# Altium PCB main.PcbDoc (continued)
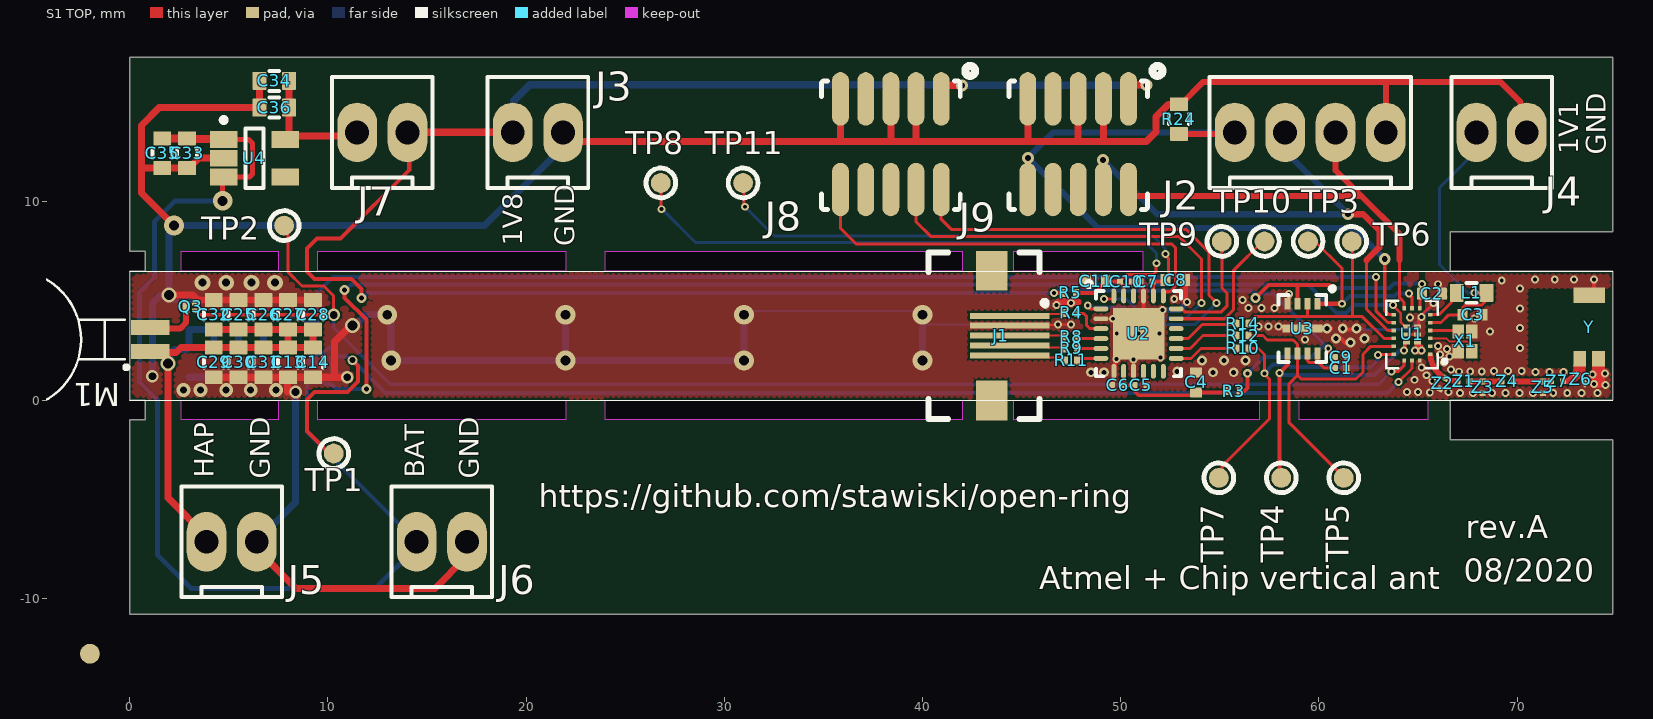
[diagram p0: S1 TOP view]
## Part data (continued)
J8 J9: "10-pin ARM SWD connector for debugging", Manufacturer=Samtec, Part Number=FTSH-105-01-L-DV-K
L1: library part MLZ1005M2R2WT000, "FIXED IND 2.2UH 350MA 550 MOHM", Device Package=0603, Manufacturer="TDK Corporation", Operating Temperature="-55°C ~ 125°C", Package / Case="0402 (1005 Metric)", Part Number=MLZ1608N2R2LT000, Tolerance=±20%, Height - Seated (Max)=0.95mm, Inductance=2.2µH, Shielding=Shielded
M1: "DC Motor Vibration, ERM 10000 RPM 3VDC", Package="Jinlong Machinery", Digi-Key_Part_Number=1670-1000-ND, MF="Jinlong Machinery", MP=C0720B001F
Q1: library part P_MOS_GDS, Manufacturer=Nexperia, Package / Case=3-XFDFN, Part Number=PMH1200UPE
Q2 Q3: library part N_MOS_GDS, Manufacturer=Nexperia, Package / Case=3-XFDFN, Part Number=PMH600UNE
R1 R21: library part CRCW0201100RFKED, "RES SMD 1 MOhm 1% 1/20W 0201", Device Package="0201 (0603 Metric)", Power (Watts)="0.05W, 1/20W", Composition="Thick Film", Package / Case="0201 (0603 Metric)", Size / Dimension="0.024\" L x 0.012\" W (0.60mm x 0.30mm)"
R2 R23: library part CRCW0201100RFKED, "RES SMD 249 kOhm 1% 1/20W 0201", Device Package="0201 (0603 Metric)", Power (Watts)="0.05W, 1/20W", Composition="Thick Film", Package / Case="0201 (0603 Metric)", Size / Dimension="0.024\" L x 0.012\" W (0.60mm x 0.30mm)"
R3: library part CRCW0201100RFKED, "RES SMD 100 Ohm 5% 1/20W 0201", Device Package="0201 (0603 Metric)", Power (Watts)="0.05W, 1/20W", Composition="Thick Film", Package / Case="0201 (0603 Metric)", Size / Dimension="0.024\" L x 0.012\" W (0.60mm x 0.30mm)"
R4 R8 R9 R11: library part CRCW0201100RFKED, "RES SMD 470 Ohm 5% 1/20W 0201", Device Package="0201 (0603 Metric)", Power (Watts)="0.05W, 1/20W", Composition="Thick Film", Package / Case="0201 (0603 Metric)", Size / Dimension="0.024\" L x 0.012\" W (0.60mm x 0.30mm)"
R5 R10 R12 R14: library part CRCW0201100RFKED, "RES SMD 0 Ohm 1/20W 0201", Device Package="0201 (0603 Metric)", Power (Watts)="0.05W, 1/20W", Composition="Thick Film", Package / Case="0201 (0603 Metric)", Size / Dimension="0.024\" L x 0.012\" W (0.60mm x 0.30mm)"
R19 R20: library part CRCW0201100RFKED, "RES SMD 316 Ohm 5% 1/20W 0201", Device Package="0201 (0603 Metric)", Power (Watts)="0.05W, 1/20W", Composition="Thick Film", Package / Case="0201 (0603 Metric)", Size / Dimension="0.024\" L x 0.012\" W (0.60mm x 0.30mm)"
R22: library part CRCW0201100RFKED, "RES SMD 100 kOhm 1% 1/20W 0201", Device Package="0201 (0603 Metric)", Power (Watts)="0.05W, 1/20W", Composition="Thick Film", Package / Case="0201 (0603 Metric)", Size / Dimension="0.024\" L x 0.012\" W (0.60mm x 0.30mm)"
R24: library part CRCW0201100RFKED, "RES SMD 10k 5% 1/8W 0603", Device Package="0201 (0603 Metric)", Package / Case=0603, Power (Watts)="0.05W, 1/20W", Composition="Thick Film", Size / Dimension="0.024\" L x 0.012\" W (0.60mm x 0.30mm)"
TP1 TP2 TP3 TP4 TP5 TP6 TP7 TP8 TP9 TP10 TP11: "Testpoint for measuring at the PCB"
U1: "IC RF TxRx + MCU Bluetooth Bluetooth v5.1 2.4GHz 24-WFQFN, FC", Manufacturer="Dialog Semiconductor GmbH", Package="WFQFN-24 Dialog Semiconductor GmbH"
U2: "ARM® Cortex®-M23 SAM L10 Microcontroller IC 32-Bit 32MHz 64KB FLASH 24-VQFN (4x4)", Manufacturer="Microchip (Atmel)", Package / Case=VQFN-24, Part Number=ATSAML10D16A-M*
U3: Manufacturer=Macronix
X1: library part CRYSTAL_4PIN_SMD
Z1 Z7: library part LQW15AN3N3D8ZD, "RF Inductor 3.3nH ±0.1nH 450mA 250mOhm", Device Package=0201, Manufacturer="Murata Electronics", Operating Temperature="-55°C ~ 125°C", Part Number=LQP03TN3N3B02D, Tolerance=±0.1nH, Height - Seated (Max)=0.33mm, Package / Case=0201, Size / Dimension="0.60mm x 0.30mm"
Z2 Z3 Z4 Z5 Z6: library part GRM033R61A104KE84D, "Ceramic capacitor 1.8pF ±0.25pF 50V C0G (NP0) 0201", Device Package="0201 (0603 Metric)", Mounting Type="Surface Mount, MLCC", Package / Case="0201 (0603 Metric)", Size / Dimension="0.024\" L x 0.012\" W (0.60mm x 0.30mm)"

## Free pads (board coordinates)
  round 1 smd paste-1 mask+1: FID(-2,-12.8)

## Via types
v1: diameter 0.4, hole 0.2, S1 TOP to S2 BOTTOM, 101 vias
v2: diameter 0.5, hole 0.25, S1 TOP to S2 BOTTOM, 18 vias
v3: diameter 1, hole 0.5, S1 TOP to S2 BOTTOM, 10 vias
v4: diameter 0.6, hole 0.3, S1 TOP to S2 BOTTOM, 6 vias
v5: diameter 0.7, hole 0.35, S1 TOP to S2 BOTTOM, 5 vias
v6: diameter 0.635, hole 0.4, S1 TOP to S2 BOTTOM, 4 vias
v7: diameter 0.8, hole 0.4, S1 TOP to S2 BOTTOM, 4 vias
v8: diameter 0.76, hole 0.5, S1 TOP to S2 BOTTOM, 3 vias
v9: diameter 0.45, hole 0.2, S1 TOP to S2 BOTTOM, 1 vias
v10: diameter 0.5, hole 0.3, S1 TOP to S2 BOTTOM, 1 vias

## Nets (pads, with @x,y where several pads share a name; then routed paths per layer and width w, separated by ;. In a path a pad name is that pad's centre, name@x,y a point inside that pad or via, vN(x,y) a via of type N, cw(c..) or ccw(c..) an arc to the next point about the centre after c; other vN are vias at no path point)
1V1: C3.1 J4.1 L1.2 U1.5 | length 14.3
  S1 TOP w0.152: U1.5 66.157,3.907 66.55,4.3 C3.1 67.25,4.65 67.4,4.8 68.224,4.8 68.377,4.953 68.377,5.34 68.447,5.41 v1(67.843,5.41)
  S2 BOTTOM w0.152: 67.503,5.407 66.075,6.835 66.075,10.706 67.945,12.576 J4.1 ; 67.545,5.407 67.548,5.41 v1(67.843,5.41)
1V8: C1.2 C2.1 C9.1 J3.1 J7.2 J8.1 J9.1 R3.1 R5.1 U1.7 U3.3 U3.7 U3.8 | length 127.7
  S1 TOP w0.152: U3.7 59.418,1.976 59.507,1.887 59.988,1.887 ; U3.8 59.918,1.956 59.988,1.887 ; C9.1 C1.2 60.268,1.607 59.988,1.887 ; U1.7 65.107,4.633 65.107,5.279 C2.1@65.197,5.369
  S1 TOP w0.203: v2(11.7,5.15) 11.7,5.6 11.202,6.098 9.334,6.098 8.95,6.482 8.95,7.65 9.45,8.15 10.65,8.15 14.11,11.61 14.11,13.41 J7.2 ; J3.1@19.3,13.47 J3.1 ; J8.1 40.945,14.726 41.244,14.427 J8.1@41.021,14.205 ; v1(46.625,5.397) 46.627,5.398 47.148,5.398 R5.1 ; R3.1@56,0.4 56,0.402 56.048,0.45 56.25,0.45 56.4,0.6 v9(56.4,1.35) ; v2(56.8,5.15) 57.45,5.8 58.986,5.8 ; U3.3 58.918,5.732 58.986,5.8 ; v1(60.468,2.607) 60.506,2.569 60.506,2.459 C9.1 ; 60.522,5.8 58.986,5.8 ; v1(65.193,5.85) 65.197,5.847 C2.1@65.197,5.369
  S1 TOP w0.381: J7.2 19.27,13.5 J3.1@19.3,13.47 ; J8.1 40.945,15.658 41.161,15.875 v4(41.986,15.875) ; J9.1@50.381,15.176 J9.1 50.394,15.684 50.61,15.9 v4(51.3,15.9)
  S2 BOTTOM w0.203: v2(11.7,5.15) 11.761,5.15 12.007,5.397 v1(46.625,5.397) ; v1@46.649,5.357 46.82,5.529 56.571,5.529 56.718,5.382 57.693,5.382 60.268,2.807 ; v9(56.4,1.35) 57.209,2.159 59.62,2.159 60.268,2.807 ; v1(60.468,2.607) 60.268,2.807 ; v1(60.718,5.657) 63.559,5.657 63.79,5.888 v1@65.159,5.888
  S2 BOTTOM w0.381: J3.1 19.38,13.55 19.38,15.088 20.193,15.9 v4@41.986,15.9 ; v4(41.986,15.875) 51.274,15.875 v4(51.3,15.9)
ATMEL_RESET: J8.10 U2.19 | length 22.1
  S1 TOP w0.152: J8.10 35.865,8.661 36.652,7.874 52.578,7.874 52.756,7.696 52.756,5.726 52.492,5.462 52.195,5.462 52.15,5.417 U2.19
ATMEL_SWCLK: J8.4 U2.24 | length 25.3
  S1 TOP w0.152: J8.4 39.675,8.992 40.411,8.255 52.934,8.255 54.077,7.112 v1(54.077,4.902) ; v1(49.15,5.1) 49.605,5.1 49.65,5.145 U2.24
  S2 BOTTOM w0.152: v1(49.15,5.1) 50.272,5.1 51.227,4.145 53.319,4.145 v1(54.077,4.902)
ATMEL_SWDIO: J8.2 U2.1 | length 26.5
  S1 TOP w0.152: J8.2 40.945,9.119 41.453,8.611 53.289,8.611 54.45,7.45 54.45,5.291 v1(54.839,4.902) ; v1@48.364,4.747 48.364,4.698 48.481,4.581 48.981,4.581 U2.1
  S2 BOTTOM w0.152: v1(48.336,4.775) 48.415,4.697 50.218,4.697 51.115,3.8 53.736,3.8 v1(54.839,4.902)
CAP_SENSE_SCL: R10.1 TP7.1 U1.15 | length 15.5
  S1 TOP w0.152: TP7.1 55.112,-3.763 55.112,-3.338 57.5,-0.95 57.5,1.05 57.25,1.3 v1(57.25,1.35) 57.25,2.3 56.95,2.6 R10.1 ; v1(62.981,2.266) 63.02,2.305 63.779,2.305 U1.15
  S2 BOTTOM w0.203: v1(57.25,1.35) 57.685,1.785 58.44,1.785 58.568,1.657 62.618,1.657 62.95,1.989 62.95,2.236 v1(62.981,2.266)
GND: C1.1 C2.2 C3.2 C4.1 C5.1 C6.1 C7.1 C8.2 C9.2 C10.1 C11.1 C13.1 C14.2 C15.1 C16.2 C17.1 C18.2 C19.1 C20.2 C21.1 C22.2 C23.1 C24.2 C25.1 C26.2 C27.1 C28.2 C29.1 C30.2 C31.1 C32.2 C33.1 C34.1 C35.1 C36.1 J1.2 J2.4 J3.2 J4.2 J5.2 J6.2 J8.3 J8.5 J8.9 J9.3 J9.5 J9.9 Q2.S Q3.S R2.2 R23.2 R24.2 U1.2 U1.18 U1.19 U1.20 U1.21 U1.23 U2.2 U2.7 U2.9 U2.21 U2.25 U3.4 U3.9 U4.2 X1.2 X1.4 Y.2 Y.3 Z2.2 Z3.2 Z5.2 Z6.2 | length 246.6
  S1 TOP w0.102: J1.2 44.425,3.775 46.821,3.775 v1(46.846,3.8) v1(47.5,3.8)
  S1 TOP w0.127: 65.021,4.009 65.021,4.124 v1@65.228,4.331 ; v1@65.228,4.247 v1@65.228,4.331 ; v1@65.228,4.339 v1@65.228,4.331 ; v1(65.778,4.882) v1@65.228,4.331
  S1 TOP w0.152: C10.1 C7.1 51.148,5.829 U2.21@51.148,5.08 ; U1.23 U1.20 U1.21 U1.21@64.997,3.707 ; U1.19 64.978,2.907 65.043,2.907 65.067,2.883 65.067,2.808 65.168,2.707 ; v1@65.078,4.057 65.031,4.009 65.031,3.731 65.007,3.707 U1.21@64.997,3.707 ; v1(65.166,4.18) 65.166,4.155 65.021,4.009 65.021,3.731 U1.21@64.997,3.707 ; X1.2@66.804,2.707 67.018,2.493 X1.2 ; X1.2@66.814,2.707 67.028,2.493 X1.2@67.028,2.457 ; v1(68.618,3.457) 68.623,3.462 68.633,3.462 v1@68.628,3.457 ; v1@69.202,6.007 v1(69.221,6.026)
  S1 TOP w0.178: Q3.S 3.305,5.16
  S1 TOP w0.2: Y.3@73.485,5.34 73.625,5.34 73.868,5.583 v1(73.868,6.075) v1@73.868,6.132
  S1 TOP w0.203: C6.1@49.574,0.71 C6.1@49.574,0.818 ; C6.1@49.639,0.769 49.639,1.271 49.657,1.289 49.657,1.676 49.708,1.727 49.708,1.99 U2.25@50.648,2.93 ; U2.25@49.835,3.93 50.148,3.93 50.814,3.264 U2.25@50.898,3.18 ; U2.9@50.648,1.28 U2.25@50.648,2.93 ; U2.21@51.148,5.08 51.148,3.43 U2.25@50.898,3.18 ; v1@57.9,3.6 58.423,3.6 58.467,3.557 58.517,3.607 U3.9 v2@60.618,3.607 ; U3.4@58.368,4.907 U3.4 ; v2@61.068,3.157 61.34,2.885 v2@61.472,2.885 ; 61.461,3.55 61.65,3.55 ; v1@65.161,2.694 65.161,2.513 v1(65.178,2.495) ; U2.25@50.648,2.93 U2.25@50.898,3.18
  S1 TOP w0.3: R24.2@52.92,14.91 53.02,14.91 54.163,16.053 69.147,16.053 70.16,15.04 70.16,13.825 J4.2 ; C8.2@53.256,5.969 53.256,5 53.34,4.916 v1@53.34,4.902 ; J2.4 63.373,16.027
  S1 TOP w0.305: v1@64.978,2.495 U1.19@64.978,2.907
  S1 TOP w0.356: v8(2,5.3) 2.005,5.305 3.195,5.305 3.45,5.05 C32.2 C25.1 C26.2 C27.1 C28.2 ; v3(2.25,8.8) 0.6,10.45 0.6,11.65 ; C29.1 C30.2 C31.1 C13.1 ; U4.2 3.5,12.2 3,11.7 C33.1 C35.1 0.65,11.7 0.6,11.65 ; J5.2@6.4,-7.5 8.4,-9.5 15.4,-9.5 16.95,-7.95 J6.2@16.95,-7.22 ; C34.1 C36.1 1.5,14.75 0.6,13.85 0.6,11.65 ; v6(8.382,0.406) 7.975,0.406 7.975,1.125 C13.1 ; v6@10.783,1.15 10.35,1.15 ; v8(11.25,3.75) 11.15,3.75 10.35,2.95 10.35,1.15 ; J3.2 22.34,13.03 35.763,13.03 ; J8.9 35.865,13.132 35.763,13.03 ; J8.5 38.405,13.081 38.456,13.03 ; J8.3 39.675,13.081 39.624,13.03 ; J9.9 45.314,13.17 45.453,13.03 ; J9.5 47.854,13.081 47.803,13.03 ; J9.3 49.124,13.056 49.098,13.03 ; R24.2@52.92,14.91 52.4,14.91 51.791,14.3 51.791,13.538 51.283,13.03 49.098,13.03 ; C13.1 C14.2 10.35,1.15 ; 35.763,13.03 38.456,13.03 ; 38.456,13.03 39.624,13.03 ; 39.624,13.03 45.453,13.03 ; 45.453,13.03 47.803,13.03 ; 47.803,13.03 49.098,13.03
  S1 TOP w0.381: v1(64.85,2.5) 64.973,2.5 64.978,2.495 v1(65.178,2.495)
  S1 TOP w0.4: v1(46.75,4.8) 46.892,4.942 47.809,4.942
  S1 TOP w0.65: 74.092,1.473 74.103,1.484 ; 74.103,0.92 74.103,1.484 ; Y.2 74.103,1.484 ; Y.2 74.103,1.484
  S2 BOTTOM w0.102: v3@31,4.5 v3@40,4.5 ; 40.03,3.8 v1(46.846,3.8)
  S2 BOTTOM w0.152: v2@61.9,3.55 64.536,3.55 v1(65.166,4.18) v1@65.918,4.932
  S2 BOTTOM w0.203: C18.2 8.1,5.15 R23.2 ; Q2.S R2.2 10.238,1.312 10.705,1.312 10.866,1.15 v6(10.983,1.15) ; v1(47.5,3.8) v1@47.519,3.819
  S2 BOTTOM w0.3: v1(52.098,4.548) 52.986,4.548 v1@53.34,4.902
  S2 BOTTOM w0.356: v6(1.15,1.2) 1.15,4.9 1.5,5.25 1.95,5.25 v8(2,5.3) ; C19.1 C15.1 C22.2 C17.1 C16.2 ; J5.2 6.42,-7.095 7.361,-6.154 7.381,-6.154 8.382,-5.153 v6(8.382,0.406) ; C18.2 C24.2 C23.1 C21.1 C20.2 2.975,5.075 2.225,5.075 v8(2,5.3) ; v8(11.25,3.75) 11.36,3.75 11.928,4.318 12.982,4.318 v3(13,4.3) 13,4.19 13.2,3.99 v3(13.2,2) v3(22,2) ; J6.2@16.95,-7.22 J6.2 ; J3.2 21.87,12.77 17.9,8.8 v3(2.25,8.8) 2.25,8.621 2,8.371 v8(2,5.3) ; v3(22,4.3) v3(22,2) ; v3(31,4.3) v3(31,2) v3(22,2) ; v3(40,2) v3(40,4.3) ; J2.4@63.363,13.376 J2.4@63.373,13.386
  other v1: 67.114,0.35 67.774,0.35 68.739,0.35 69.4,0.35 70.111,0.35 70.8,0.35 71.818,0.35 72.524,0.35 73.235,0.35 74.048,0.35 65.59,0.387 64.439,0.412 65.005,0.412 66.529,0.4 74.454,0.768 73.879,0.8 65.728,0.952 64.828,1.022 65.418,1.25 73.793,1.282 74.423,1.332 67.063,1.428 67.631,1.431 68.212,1.431 70.928,1.424 71.628,1.424 72.328,1.424 68.828,1.454 69.528,1.454 70.228,1.454 66.656,1.53 65.183,1.632 66.307,1.891 50.65,2.05 49.798,2.08 52,2.15 66.58,2.19 66.108,2.302 66.454,2.58 70.15,2.625 66.009,2.72 59.3,3.05 49.8,3.35 50.9,3.35 51.95,3.35 70.15,3.625 56.95,3.7 57.45,3.7 57.95,3.7 49.6,4.1 67.845,4.114 64.588,4.163 70.15,4.625 56.45,4.65 57.1,4.65 57.75,4.65 46.2,4.8 47.5,4.89 53.34,4.95 56.15,5.05 52.7,5.1 58.49,5.354 70.15,5.625 66.015,5.842 70.893,6.075 71.893,6.075 72.868,6.075
  other v2: 48.5,1.4 49.15,1.4 54.65,1.4 55.7,1.4 52.85,1.45 54.1,2 55.2,2 56.3,2 61.6,2.9 60.85,3.1 62.3,3.1 60.4,3.6 61.2,3.6 61.9,3.6
  other v5: 2.718,0.501 3.581,0.501 4.877,0.501 6.112,0.501 7.387,0.501
  other v7: 3.683,5.918 4.877,5.918 6.147,5.918 7.341,5.918
HAP_PRE: Q2.G TP1.1 U1.17 | length 63.2
  S1 TOP w0.152: v1(64.017,0.915) 64.693,1.591 U1.17 U1.17@64.696,1.992 ; U1.17@64.703,1.994 U1.17@64.705,1.992
  S1 TOP w0.203: TP1.1@10.092,-2.708 9.826,-2.442 8.95,-1.566 8.95,0.018 9.334,0.402 11.007,0.402 11.529,0.924 11.529,1.723 v10(11.243,2.009)
  S2 BOTTOM w0.203: Q2.G 10.972,2.2 11.163,2.009 v10(11.243,2.009) 12.902,0.35 63.452,0.35 v1(64.017,0.915)
HAP_PULSE: Q3.G TP2.1 U1.16 | length 69.8
  S1 TOP w0.152: TP2.1 7.962,8.638 7.962,8.338 8,8.3 8,6.45 8.7,5.75 9.8,5.75 10.3,5.25 v6(10.3,4.3) ; v1(63.65,1.45) 64,1.45 64.279,1.729 64.279,1.98 U1.16
  S1 TOP w0.191: Q3.G 3.355,4.525 3.36,4.52 3.36,4.47 3.53,4.3 v6@10.25,4.3
  S2 BOTTOM w0.191: v6(10.3,4.3) 10.3,3.65 13.15,0.8 63,0.8 v1(63.65,1.45) v1@63.593,1.45
NetC4_2: C4.2 C5.2 C6.2 R3.2 U2.8 | length 6.6
  S1 TOP w0.178: C6.2@50.087,0.698 50.15,0.761 U2.8 ; C6.2 50.694,0.75 C5.2@50.695,0.748 ; C5.2 50.7,0.45 50.9,0.25 53.759,0.25 C4.2@53.896,0.387 ; C4.2 C4.2@53.896,0.387 ; C4.2@53.991,0.387 C4.2@53.896,0.387
  S1 TOP w0.203: C4.2@53.991,0.387 55.352,0.387 55.4,0.436 R3.2
NetC7_2: C7.2 C8.1 TP11.1 U2.20 | length 26.7
  S1 TOP w0.152: TP11.1 31.003,10.897 31.003,9.797 v1(31.05,9.75) ; v1(52.25,7.375) 52.25,7.308 52.4,7.158 52.4,6.113 C8.1@52.256,5.969
  S1 TOP w0.203: U2.20@51.648,5.08 51.639,5.089 51.639,5.938 C7.2 C8.1@52.256,5.969
  S2 BOTTOM w0.152: v1(31.05,9.75) 32.525,8.275 51.625,8.275 52.237,7.663 52.237,7.388 v1(52.25,7.375)
NetC10_2: C10.2 C11.2 R5.2 TP8.1 U2.23 | length 33.7
  S1 TOP w0.152: TP8.1 26.813,10.937 26.813,9.637 v1(26.825,9.625) ; C10.2 50.323,6.325 51.625,6.325 51.771,6.471 51.771,6.871 v1(51.8,6.9)
  S1 TOP w0.203: R5.2@47.774,5.376 R5.2 48.698,5.4 49.243,5.944 C11.2 49.255,5.982 49.954,5.982 C10.2 50.148,5.788 U2.23@50.148,5.08
  S2 BOTTOM w0.152: v1(26.825,9.625) 26.875,9.625 28.55,7.95 51.25,7.95 51.8,7.4 v1(51.8,6.9)
NetC34_2: C34.2 C36.2 J7.1 U4.5 | length 6.6
  S1 TOP w0.356: U4.5 U4.5@8.025,13.325 ; C34.2 C36.2 8.05,13.35 U4.5@8.025,13.325 ; J7.1 11.305,13.325 U4.5@8.025,13.325
NetJ1_1: J1.1 R4.2 | length 3
  S1 TOP w0.076: R4.2@47.15,4.4 R4.2@47.2,4.45
  S1 TOP w0.102: J1.1 46.25,4.25 46.35,4.35 47.15,4.35 R4.2@47.2,4.35 ; R4.2 R4.2@47.2,4.45
NetJ1_3: J1.3 R8.2 | length 2.8
  S1 TOP w0.102: J1.3 R8.2@47.2,3.25
NetJ1_4: J1.4 R9.2 | length 2.8
  S1 TOP w0.102: J1.4 46.25,2.75 46.35,2.65 R9.2@47.2,2.65
NetJ1_5: J1.5 R11.2 | length 2.9
  S1 TOP w0.102: J1.5 44.499,2.151 46.449,2.151 ; 46.45,2.15 47.101,2.15 R11.2@47.2,2.051
NetL1_1: L1.1 U1.6 | length 1.9
  S1 TOP w0.152: U1.6 66.057,4.307 66.675,4.925 66.675,4.928 66.676,4.929 66.676,5.133 L1.1
NetM1_2: M1.2 Q3.D | length 2.7
  S1 TOP w0.305: M1.2 1.1,3.6 2.55,3.6 2.85,3.9 Q3.D
NetQ1_D: Q1.D R19.1 R20.1 | length 1.3
  S2 BOTTOM w0.203: R19.1 9.2,3.4 ; Q1.D 9.2,2.8 9.2,3.4 ; R20.1 9.2,3.4
NetQ1_G: Q1.G Q2.D R22.2 | length 1.7
  S2 BOTTOM w0.203: R22.2 9.55,1.8 9.427,1.923 9.427,2.293 Q1.G 9.425,2.342 9.427,2.343 9.743,2.343 10.05,2.65 Q2.D@10.37,2.65
NetR10_2: R10.2 U2.13 | length 3.3
  S1 TOP w0.152: U2.13 53.55,2.1 54.05,2.6 R10.2
NetR12_2: R12.2 U2.14 | length 3.3
  S1 TOP w0.152: U2.14 53.5,2.6 54.15,3.25 55.776,3.25 R12.2@55.776,3.219
NetR14_2: R14.2 U2.15 | length 3.5
  S1 TOP w0.152: U2.15 53.4,3.1 54.1,3.8 55.776,3.8 55.776,3.876 R14.2@55.85,3.95 ; R14.2 R14.2@55.85,3.9
NetTP9_1: TP9.1 U2.18 | length 6.3
  S1 TOP w0.152: U2.18 53.076,4.6 53.226,4.45 55.072,4.45 55.35,4.728 55.35,5.4 55.1,5.65 55.1,7.65 55.45,8 TP9.1@55.474,7.976
NetTP10_1: TP10.1 U2.17 | length 7.2
  S1 TOP w0.152: U2.17 55.23,4.1 55.7,4.57 55.7,6.55 57.15,8 TP10.1
NetY_1: Y.1 Z6.1 Z7.2 | length 3.9
  S1 TOP w0.254: Z7.2@72.312,0.953 ccw(c72.479,1.818) Y.1@73.35,1.695 ; Z7.2@72.328,0.946 ccw(c72.261,1.641) Y.1@72.954,1.726
  S1 TOP w0.3: Z7.2@72.328,0.946 ccw(c72.337,1.809) Y.1@73.2,1.8
NetZ1_2: Z1.2 Z3.1 Z4.1 | length 1.6
  S1 TOP w0.3: Z1.2 Z4.1@69.196,0.946
NetZ4_2: Z4.2 Z5.1 Z7.1 | length 1.9
  S1 TOP w0.3: Z4.2 Z7.1@71.711,0.946
P0_3: R12.1 TP5.1 U1.14 U3.6 | length 16.8
  S1 TOP w0.152: R12.1 57.175,3.25 57.398,3.027 58.698,3.027 58.918,2.807 U3.6 58.918,1.243 ; TP5.1 61.25,-3.9 58.5,-1.15 58.5,0.825 58.918,1.243 ; U1.14 62.618,2.707 62.218,2.307 62.218,1.407 61.868,1.057 59.105,1.057 58.918,1.243
P0_4: R14.1 TP6.1 U1.13 U3.2 | length 12.4
  S1 TOP w0.152: R14.1 56.45,3.9 56.757,4.207 59.418,4.207 ; U3.2 59.418,4.207 ; TP6.1 61.7,7.95 61.7,4.207 ; U1.13 63.289,3.107 62.189,4.207 61.7,4.207 ; 59.418,4.207 61.7,4.207
RESET: J2.1 J9.10 R24.1 U1.10 | length 42.2
  S1 TOP w0.152: J2.1@55.753,13.386 J2.1 J2.1@55.753,14.076 ; v4(63.318,7.107) 63.318,4.507 63.518,4.307 U1.10
  S1 TOP w0.305: J9.10 v4(45.314,12.217) ; R24.1@52.834,13.423 R24.1 ; R24.1@52.884,13.373 R24.1 ; J2.1@55.753,13.386 55.716,13.423 R24.1 ; J2.1@55.763,12.436 J2.1@55.763,14.076
  S2 BOTTOM w0.305: J2.1 46.596,13.5 v4(45.314,12.217) 48.846,8.685 61.74,8.685 v4(63.318,7.107) ; J2.1@55.763,13.5 J2.1@55.763,14.486
RF: U1.1 Z1.1 Z2.1 | length 2.1
  S1 TOP w0.152: U1.1 65.612,2.301 U1.1@65.612,2.307 ; U1.1@65.615,2.307 65.622,2.301 U1.1@65.622,2.307
  S1 TOP w0.3: U1.1@65.622,2.245 ccw(c67.028,2.355) Z1.1@66.979,0.946
RX0: R8.1 U2.4 | length 1.3
  S1 TOP w0.152: R8.1 47.8,3.174 47.874,3.1 U2.4
RX1: R9.1 U2.5 | length 1.2
  S1 TOP w0.152: R9.1 U2.5
RX2: R11.1 U2.6 | length 1.3
  S1 TOP w0.152: R11.1 47.8,2.026 47.874,2.1 U2.6
SPI_FLASH_CS: TP3.1 U1.8 U3.1 | length 10.3
  S1 TOP w0.152: TP3.1@59.75,8.05 61.168,6.632 v1(61.168,4.857) ; v1(64.542,5.383) 64.542,5.316 64.693,5.165 U1.8 U1.8@64.701,4.627 ; v1@64.552,5.383 64.552,5.316 64.703,5.165 64.703,4.619 U1.8@64.711,4.627
  S1 TOP w0.203: U3.1 v1(61.168,4.857)
  S2 BOTTOM w0.203: v1(61.168,4.857) 61.568,5.257 63.818,5.257 63.945,5.383 v1(64.542,5.383)
SPI_FLASH_DI: TP4.1 U1.24 U3.5 | length 13.9
  S1 TOP w0.152: v1(64.28,2.507) 64.328,2.555 64.328,2.883 64.351,2.907 U1.24
  S1 TOP w0.203: TP4.1 58.018,-3.843 v1(58.018,1.357) 58.418,1.757 U3.5
  S2 BOTTOM w0.203: v1@58.056,1.394 v1(58.018,1.357) 58.071,1.357 58.171,1.257 62.807,1.257 64.057,2.507 v1(64.28,2.507)
SWCLK: J2.2 J9.4 U1.12 | length 29.2
  S1 TOP w0.152: 62.394,7.031 62.394,4.583 63.47,3.507 U1.12
  S1 TOP w0.203: 62.394,7.031 62.394,7.044
  S1 TOP w0.305: v4(49.098,12.116) 49.098,10.643 J9.4 ; J2.2@58.293,12.802 J2.2 ; v4(61.468,9.373) 62.227,9.373 63.05,8.55 63.05,7.7 62.394,7.044
  S2 BOTTOM w0.305: v4(49.098,12.116) 51.841,9.373 v4(61.468,9.373) 58.293,12.548 J2.2 ; J2.2@58.293,14.336 J2.2@58.363,14.406
SWDIO: J2.3 J9.2 U1.9 | length 22.3
  S1 TOP w0.152: 64.068,7.057 64.068,5.157 64.293,4.932 U1.9
  S1 TOP w0.305: J9.2 50.394,10.544 50.645,10.292 62.133,10.292 ; J2.3 60.833,11.592 62.133,10.292 ; J2.3@60.833,14.336 J2.3@60.863,14.366 ; 64.068,7.057 64.068,8.357 62.133,10.292
TX0: R4.1 U2.3 | length 1.8
  S1 TOP w0.152: R4.1 47.831,4.369 48.131,4.369 48.285,4.215 48.285,3.765 48.45,3.6 U2.3
VBAT: C33.2 C35.2 J6.1 Q1.S R1.1 R22.1 U4.1 U4.3 | length 57
  S1 TOP w0.254: v3(4.7,10.05) 4.7,11.2 U4.3 6.051,11.25 6.2,11.399 6.2,12.95 6,13.15 U4.1
  S1 TOP w0.406: C35.2 C33.2 2.925,13.175 4.725,13.175 U4.1
  S2 BOTTOM w0.203: Q1.S 9.073,2.293 9.073,1.923 8.95,1.8 R22.1 R1.1 8.95,-1.606 13.517,-6.174 14.48,-7.136 J6.1
  S2 BOTTOM w0.254: v3(4.7,10.05) 2.3,10.05 1.25,9 1.25,6.188 0.512,5.45 0.512,0.892 1.4,0.004 1.4,-7.8 3.1,-9.5 12.4,-9.5 14.48,-7.42 J6.1
VBAT_ADC: R1.2 R2.1 U1.22 | length 63.5
  S1 TOP w0.127: v1(63.729,4.801) 63.729,4.775 64.135,4.369 64.135,3.915 64.343,3.707 U1.22
  S1 TOP w0.203: v2@10.9,5.5 v2(10.85,5.55) 10.85,5.15 11.95,4.05 v2(11.95,0.55)
  S2 BOTTOM w0.203: R1.2 9.55,1.1 9.852,0.798 10.152,0.798 R2.1 10.25,0.75 10.45,0.55 v2(11.95,0.55) v2@11.899,0.499 ; v2(10.85,5.55) 10.882,5.55 11.165,5.833 59.442,5.833 60.882,4.393 60.891,4.401 61.361,4.401 61.76,4.801 v1(63.729,4.801)
VHAP: C13.2 C14.1 C15.2 C16.1 C17.2 C18.1 C19.2 C20.1 C21.2 C22.1 C23.2 C24.1 C25.2 C26.1 C27.2 C28.1 C29.2 C30.1 C31.2 C32.1 J5.1 M1.1 R19.2 R20.2 R21.1 | length 44.2
  S1 TOP w0.356: M1.1 1.448,2.45 1.498,2.4 1.65,2.4 M1.1@1.924,2.4 ; J5.1 3.88,-6.88 1.95,-4.95 v8(1.95,1.85) 1.924,1.876 M1.1@1.924,2.4 ; C32.1 C25.2 C26.1 C27.2 ; M1.1@1.924,2.4 2.35,2.4 2.6,2.65 C29.2 C30.1 C31.2 C13.2 ; C13.2 C27.2 ; C13.2 C14.1 C28.1 C27.2
  S2 BOTTOM w0.203: C18.1 8.05,3.6 8.05,4.1 8.225,4.275 8.9,4.275 ; R21.1 8.9,4.275 ; R20.2 R19.2 8.9,4.275
  S2 BOTTOM w0.356: v8(1.95,1.85) 2.028,1.928 2.028,2.329 2.249,2.55 2.9,2.55 C19.2 ; C19.2 C15.2 ; C19.2 C20.1 C21.2 ; C15.2 C22.1 ; C15.2 C21.2 ; C21.2 C23.2 ; C22.1 C23.2 ; C22.1 C17.2 ; C23.2 C24.1 ; C17.2 C24.1 ; C17.2 C16.1 C18.1 C24.1
VHAP_ADC: R21.2 R23.1 U1.11 | length 57.5
  S1 TOP w0.152: v1(62.868,6.207) 62.868,4.509 63.47,3.907 U1.11
  S2 BOTTOM w0.203: R21.2 R23.1 9.5,5.455 10.252,6.207 v1(62.868,6.207) v1@62.816,6.155
XTAL32N: U1.4 X1.1 | length 1.5
  S1 TOP w0.152: U1.4 66.968,3.507 X1.1 ; X1.1@66.978,3.507 X1.1@67.028,3.457
XTAL32P: U1.3 X1.3 | length 2.7
  S1 TOP w0.089: U1.3 66.418,3.107 66.568,2.957 67.468,2.957 67.568,2.857 67.568,2.607 X1.3 ; X1.3@67.578,2.607 X1.3@67.728,2.457
pads on no net: J1. J8.6 J8.7 J8.8 J9.6 J9.7 J9.8 U2.10 U2.11 U2.12 U2.16 U2.22 U4.4

## Polygon pours and split planes (outlines as drawn)
GND on S2 BOTTOM "GND_L02_P011" (hatched 90Degree grid 0.3 track 0.3, remove dead copper, pour order 11): 0,6.35 74.828,6.35 74.828,5.755 70.428,5.755 70.428,1.475 74.828,1.475 74.828,0.15 0,0.15
GND on S1 TOP "GND_L01_P013" (hatched 90Degree grid 0.3 track 0.3, remove dead copper, pour order 13): 0,6.35 74.828,6.35 74.828,5.755 74.278,5.755 74.278,5.283 72.978,5.283 72.978,5.755 70.428,5.755 70.428,1.475 74.828,1.475 74.828,0.15 0,0.15

## Other copper
S1 TOP:
  pour cut-out: 64.421,2.889 64.421,1.949 65.437,1.949 65.437,2.889
  pour cut-out: 65.243,2.557 65.243,2.257 65.828,2.472 65.828,2.952 65.243,2.952
  pour cut-out: 66.982,0.823 67.749,0.828 67.749,0.553 66.982,0.553
  pour cut-out: 68.95,0.824 69.716,0.829 69.716,0.554 68.95,0.554
  pour cut-out: 71.465,0.824 72.231,0.829 72.231,0.554 71.465,0.554
  pour cut-out: 67,1.339 69.716,1.339 69.716,1.066 67,1.066
  pour cut-out: 71.465,1.339 72.231,1.339 72.231,1.066 71.465,1.066
  pour cut-out: 65.437,3.307 63.75,3.307 63.75,2.907 65.437,2.907

## Silkscreen, mask and mechanical layers (free items; w line width, h text height)
Top Overlay:
  lines w0.05: 0,0 74.828,0 ; 0,6.5 74.828,6.5
  text "1V1" at 73.071,12.404 h1 r90
  text "GND" at 74.471,12.379 h1 r90
  text "1V8" at 19.821,7.779 h1 r90
  text "GND" at 22.421,7.754 h1 r90
  text "BAT" at 14.872,-3.924 h1 r90
  text "HAP" at 4.261,-3.928 h1 r90
  text "GND" at 17.621,-3.971 h1 r90
  text "GND" at 7.08,-3.978 h1 r90
  text "https://github.com/stawiski/open-ring" at 20.65,-5.817 h2
  text "rev.A" at 67.4,-7.379 h2
  text "08/2020" at 67.3,-9.579 h2
  text "Atmel + Chip vertical ant" at 45.9,-9.938 h2
Bottom Overlay:
  lines w0.05: 0,0 74.828,0 ; 0,6.5 74.828,6.5
Top Solder:
  drawing of 10 lines, arcs and shapes, not listed
  text "M. Stawiski, rev. A, 08/2020" at 25.7,0.564 h1.2
Router:
  lines w1: -0.5,-10.8 -0.5,17.3 ; 0.3,-0.5 -0.5,-0.5 -0.5,7 0.3,7 ; 3.1,-0.5 7,-0.5 ; 3.1,7 7,7 ; 10,-0.5 21.5,-0.5 ; 10,7 21.5,7 ; 24.5,-0.5 41.5,-0.5 ; 24.5,7 41.5,7 ; 45.1,-0.5 56.5,-0.5 ; 45.1,7 50.6,7 ; 59.5,-0.5 64.975,-0.5 ; 75.3,-10.8 75.3,17.3
  lines w2: 67.618,-1 75.818,-1 75.818,7.5 67.618,7.5
M5 (Board Outline):
  lines w0.05: 42,7 42,6.5 ; 0,6.5 0,5.5 0,0 0.8,0 0.8,-1 0,-1 0,-10.8 74.828,-10.8 74.828,-2 66.625,-2 66.625,0 74.828,0 74.828,6.5 66.625,6.5 66.625,8.5 74.828,8.5 74.828,17.3 0,17.3 0,7.5 0.8,7.5 0.8,6.5 0,6.5 ; 0,6.5 0,6.5 ; 42,6.5 42,7.5 24,7.5 24,6.5 42,6.5 ; 2.6,-1 7.5,-1 7.5,0 2.6,0 2.6,-1 ; 2.6,6.5 7.5,6.5 7.5,7.5 2.6,7.5 2.6,6.5 ; 9.5,-1 22,-1 22,0 9.5,0 9.5,-1 ; 9.5,6.5 22,6.5 22,7.5 9.5,7.5 9.5,6.5 ; 24,-1 24,0 42,0 42,-1 24.15,-1 24,-1 ; 44.6,-1 44.6,0 57,0 57,-1 44.6,-1 ; 44.6,6.5 51.1,6.5 51.1,7.5 44.6,7.5 44.6,6.5 ; 59,-1 59,0 65.475,0 65.475,-1 59,-1